# Altium PCB 2-quilter-output.pcbdoc (part 15 of 17)
Units mil, origin at the board's own origin, x right, y up, seen from the top; angles counter-clockwise.
Board outline 2728 x 2217 mil, 8 copper layers (L1_TOP, L2_GND, L3_INNER1, L4_GND, L5_PWR, L6_PWR, L7_GND, L8_BOT), stack 48.64 mil thick; 230 components, 327 nets, 1592 pads, 995 vias.
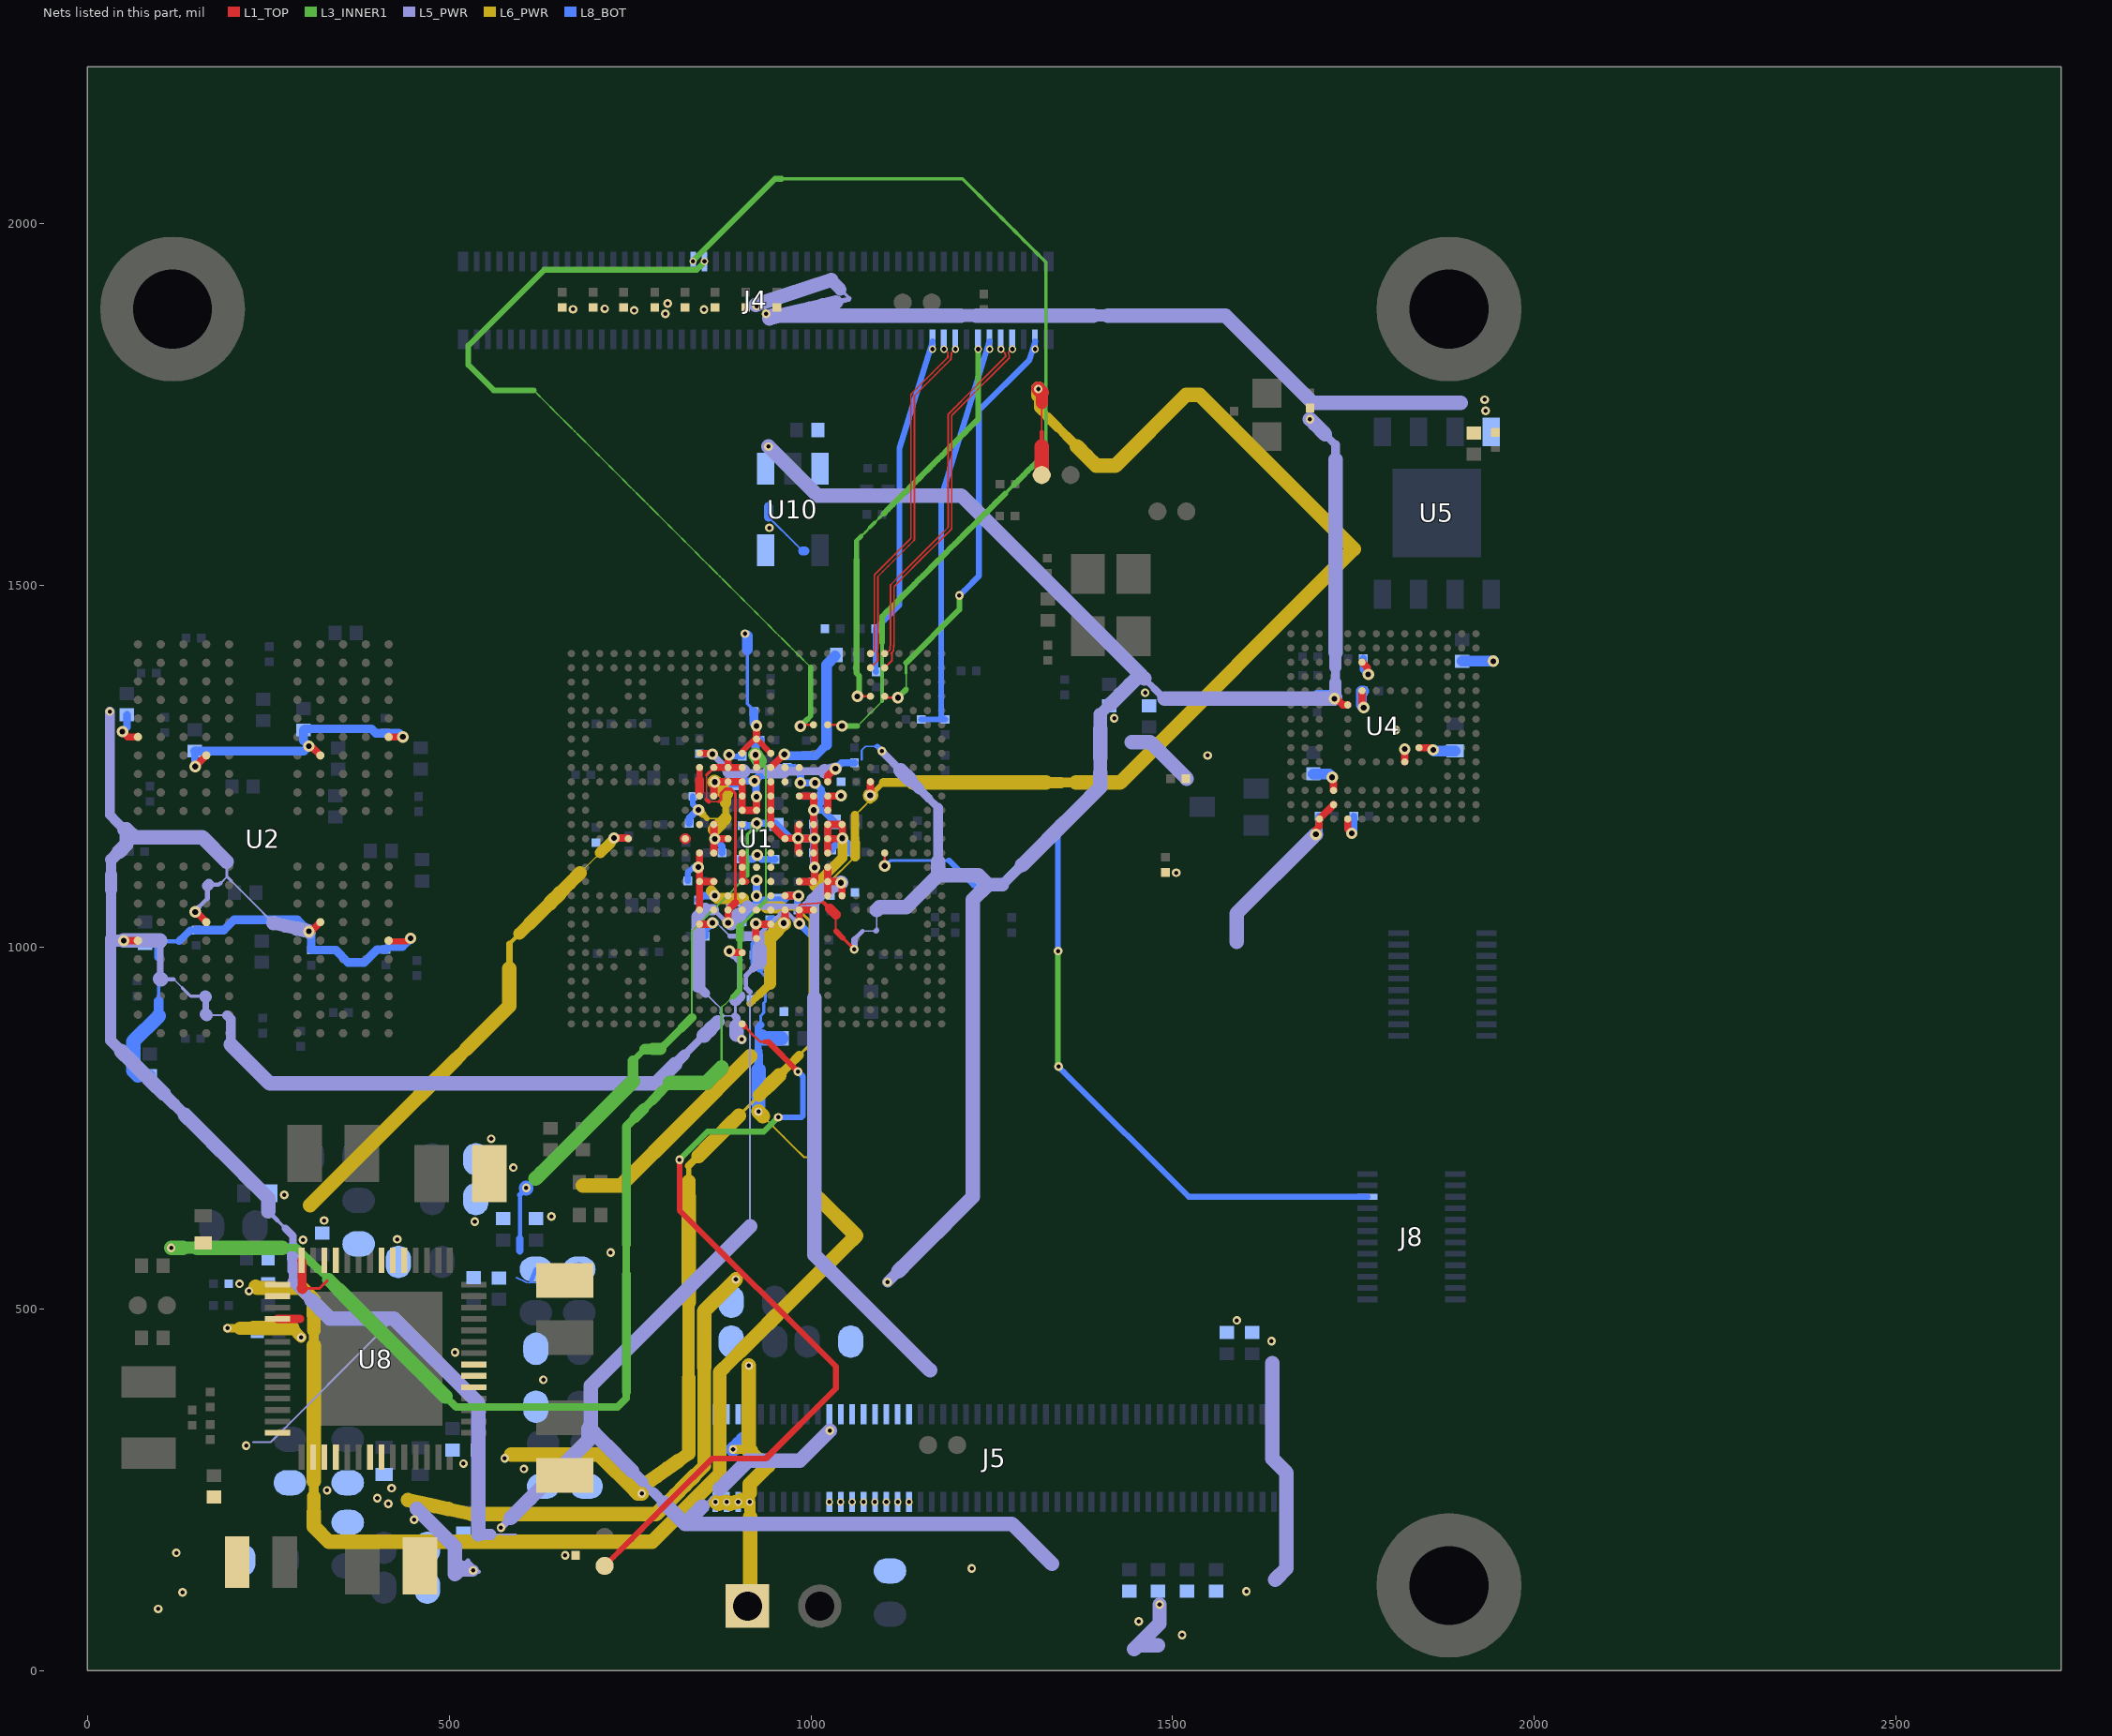
[diagram p21: the nets of this part, all layers, seen from the top]

## Via types
v1: diameter 12.01, hole 5.91, L1_TOP to L8_BOT, tented both sides, 409 vias
v2: diameter 16, hole 8, L1_TOP to L8_BOT, tented both sides, 329 vias
v3: diameter 10, hole 6, L1_TOP to L8_BOT, tented both sides, 205 vias
v4: diameter 16, hole 8, L1_TOP to L8_BOT, tented top, 52 vias

## Nets (pads, with @x,y where several pads share a name; then routed paths per layer and width w, separated by ;. In a path a pad name is that pad's centre, name@x,y a point inside that pad or via, vN(x,y) a via of type N, cw(c..) or ccw(c..) an arc to the next point about the centre after c; other vN are vias at no path point) (continued)
UART4_RXD: J4.40 U1.F19 | length 1373.6
  L1_TOP w3: U1.F19@1023.31,1307.38 1041.28,1307.38 v2(1043,1305.66)
  L3_INNER1 w2: 1064.2,1305.65 1069.93,1311.38 1075.66,1317.1 1081.38,1322.83 1087.11,1328.55 1092.83,1334.28 1098.56,1340.01
  L3_INNER1 w4.54: 959.45,2061.97 968.38,2061.97 977.31,2061.97 986.24,2061.97 995.17,2061.97 1004.09,2061.97 1013.02,2061.97 1021.95,2061.97 1030.88,2061.97 1039.81,2061.97 1048.74,2061.97 1057.66,2061.97 1066.59,2061.97 1075.52,2061.97 1084.45,2061.97 1093.38,2061.97 1102.3,2061.97 1111.23,2061.97 1120.16,2061.97 1129.09,2061.97 1138.02,2061.97 1146.94,2061.97 1155.87,2061.97 1164.8,2061.97 1173.73,2061.97 1182.66,2061.97 1191.59,2061.97 1200.51,2061.97 1209.44,2061.97 1215.52,2055.89 1221.61,2049.81 1227.69,2043.72 1233.77,2037.64 1239.85,2031.56 1245.93,2025.48 1252.02,2019.39 1258.1,2013.31 1264.18,2007.23 1270.26,2001.15 1276.35,1995.06 1282.43,1988.98 1288.51,1982.9 1294.59,1976.82 1300.67,1970.74 1306.76,1964.65 1312.84,1958.57 1318.92,1952.49 1325,1946.41 1325,1937.67 1325,1928.93 1325,1920.19 1325,1911.46 1325,1902.72 1325,1893.98 1325,1885.24 1325,1876.5 1325,1867.77 1325,1859.03 1325,1850.29 1325,1841.55 1325,1832.81 1325,1824.08 1325,1815.34 1325,1806.6 1325,1797.86 1325,1789.12 1325,1780.39 1325,1771.65 1325.01,1762.82 1325.01,1753.99 1325.01,1745.17 1325.01,1736.34 1325.01,1727.51 1325.01,1718.69 1325.01,1709.86 1325.01,1701.04 1325.01,1692.21 1325.01,1683.39 1318.72,1677.1 ; 1268.4,1626.77 1274.69,1633.06 1280.98,1639.35
  L3_INNER1 w5.13: 1098.56,1340.01 1098.56,1349 1098.56,1358 1098.56,1366.99 1098.56,1375.99 1098.56,1384.98 1098.56,1393.98 1098.56,1402.97 1098.56,1411.96 1098.56,1420.96
  L3_INNER1 w7.46: 1057.63,1305.65 1064.2,1305.65
  L3_INNER1 w8.05: v3(837.28,1947.75) 840.33,1951.79 950.52,2061.97 959.44,2061.97 ; v2@1043.01,1305.65 1051.06,1305.65 1057.63,1305.65 ; 1098.56,1420.96 1098.56,1429.95 1098.56,1438.95 1098.56,1447.94 1098.56,1456.94 1104.85,1463.23 1111.14,1469.52 1117.43,1475.81 1123.72,1482.1 1130.01,1488.39 1136.3,1494.68 1142.59,1500.97 1148.88,1507.26 1155.17,1513.55 1161.46,1519.84 1167.75,1526.13 1174.04,1532.42 1180.33,1538.71 1186.62,1545 1192.91,1551.29 1199.2,1557.58 1205.49,1563.87 1211.78,1570.16 1218.07,1576.45 1224.36,1582.74 1230.65,1589.03 1236.95,1595.32 1243.24,1601.61 1249.53,1607.9 1255.82,1614.19 1262.11,1620.48 1268.4,1626.77 ; 1280.98,1639.35 1287.27,1645.64 1293.56,1651.93 1299.85,1658.22 1306.14,1664.51 1312.43,1670.8 1318.72,1677.1
UART4_TXD: J4.42 U1.F18 | length 1154
  L1_TOP w3: v2(985.59,1305.39) 987.58,1307.38 U1.F18@1003.63,1307.38
  L3_INNER1 w2: 617.06,1769.61 623.37,1763.3 629.64,1757.03 635.92,1750.75 642.19,1744.48 648.47,1738.21 654.74,1731.93 661.02,1725.66 667.29,1719.38 673.56,1713.11 679.84,1706.83 686.11,1700.56 692.39,1694.28 698.66,1688.01 704.94,1681.74 711.21,1675.46 717.49,1669.19 723.76,1662.91 730.03,1656.64 736.31,1650.36 742.58,1644.09 748.86,1637.81 755.13,1631.54 761.41,1625.27 767.68,1618.99 773.96,1612.72 780.23,1606.44 786.5,1600.17 792.78,1593.89 799.05,1587.62 805.33,1581.34 811.6,1575.07 817.88,1568.8 824.15,1562.52 830.43,1556.25 836.7,1549.97 842.97,1543.7 849.25,1537.42 855.52,1531.15 861.8,1524.87 868.07,1518.6 874.35,1512.33 880.62,1506.05 886.9,1499.78 893.17,1493.5 899.44,1487.23 905.72,1480.95 911.99,1474.68 918.27,1468.4 924.54,1462.13 930.82,1455.86 937.09,1449.58 943.37,1443.31 949.64,1437.03 955.91,1430.76 962.19,1424.48 968.46,1418.21 974.74,1411.93 981.01,1405.66 987.29,1399.39 993.56,1393.11 999.84,1386.84
  L3_INNER1 w6.88: 995.15,1314.94 999.84,1319.62 999.84,1328.03 999.84,1336.43 999.84,1344.83 999.84,1353.23 999.84,1361.63 999.84,1370.03 999.84,1378.44 999.84,1386.84
  L3_INNER1 w8.05: 617.06,1769.61 561.73,1769.61 526.71,1804.63 526.71,1831.34 631.52,1936.15 842.41,1936.15 849.98,1943.72 v3(853.02,1947.75) ; v2(985.59,1305.39) 985.79,1305.58 990.47,1310.26 995.15,1314.94
USB1_DN: J4.83 U1.A22 | length 467.5
  L1_TOP w2.3: U1.A22@1082.37,1405.81 1086.77,1408.04 1087.82,1413.86 1087.82,1423.81 1087.82,1433.76 1087.82,1443.71 1087.82,1453.66 1087.82,1463.6 1087.82,1473.55 1087.82,1483.5 1087.82,1493.45 1087.82,1503.4 1087.82,1513.35 1087.82,1513.43 1087.83,1513.52 1087.84,1513.6 1087.85,1513.68 1087.86,1513.77 1087.88,1513.85 1087.9,1513.93 1087.92,1514.01 1087.95,1514.09 1087.98,1514.17 1088.01,1514.25 1088.04,1514.33 1088.08,1514.41 1088.12,1514.48 1088.16,1514.55 1088.21,1514.63 1088.25,1514.7 1088.3,1514.76 1088.36,1514.83 1088.41,1514.9 1088.47,1514.96 1088.52,1515.02 1095.65,1522.14 1102.77,1529.27 1109.9,1536.39 1117.02,1543.52 1124.15,1550.64 1131.27,1557.77 1138.4,1564.89 1138.4,1574.81 1138.4,1584.73 1138.4,1594.65 1138.4,1604.57 1138.4,1614.49 1138.4,1624.41 1138.4,1634.33 1138.4,1644.25 1138.4,1654.16 1138.4,1664.08 1138.4,1674 1138.4,1683.92 1138.4,1693.84 1138.4,1703.76 1138.4,1713.68 1138.4,1723.6 1138.4,1733.52 1138.4,1743.44 1138.4,1753.36 1138.4,1763.27 1138.4,1763.36 1138.41,1763.44 1138.41,1763.53 1138.42,1763.61 1138.44,1763.69 1138.46,1763.78 1138.48,1763.86 1138.5,1763.94 1138.52,1764.02 1138.55,1764.1 1138.58,1764.18 1138.62,1764.26 1138.66,1764.33 1138.69,1764.41 1138.74,1764.48 1138.78,1764.55 1138.83,1764.62 1138.88,1764.69 1138.93,1764.76 1138.98,1764.82 1139.04,1764.89 1139.1,1764.95 1146.23,1772.08 1153.37,1779.21 1160.5,1786.35 1167.63,1793.48 1174.77,1800.61 1181.9,1807.75 1189.03,1814.88 1189.46,1821.68 v3@1183.96,1826.15
  other v3: 1183.98,1826.55
USB1_DP: J4.85 U1.B22 | length 488
  L1_TOP w2.3: 1092.36,1407.32 1091.5,1407.19 1092.58,1413.22 1092.6,1413.3 1092.61,1413.39 1092.62,1413.47 1092.62,1413.56 1092.62,1413.64 1092.62,1423.51 1092.62,1433.38 1092.62,1443.25 1092.62,1453.12 1092.62,1462.98 1092.62,1472.85 1092.62,1482.72 1092.62,1492.59 1092.62,1502.46 1092.62,1512.33 1099.75,1519.45 1106.87,1526.58 1114,1533.7 1121.12,1540.83 1128.25,1547.95 1135.37,1555.08 1142.49,1562.2 1142.55,1562.26 1142.61,1562.32 1142.66,1562.39 1142.72,1562.46 1142.77,1562.52 1142.81,1562.59 1142.86,1562.67 1142.9,1562.74 1142.94,1562.82 1142.98,1562.89 1143.01,1562.97 1143.04,1563.05 1143.07,1563.13 1143.1,1563.21 1143.12,1563.29 1143.14,1563.37 1143.16,1563.45 1143.17,1563.54 1143.18,1563.62 1143.19,1563.7 1143.19,1563.79 1143.2,1563.87 1143.2,1573.79 1143.2,1583.71 1143.2,1593.63 1143.2,1603.55 1143.2,1613.47 1143.2,1623.39 1143.2,1633.31 1143.2,1643.23 1143.2,1653.15 1143.2,1663.06 1143.2,1672.98 1143.2,1682.9 1143.2,1692.82 1143.2,1702.74 1143.2,1712.66 1143.2,1722.58 1143.2,1732.5 1143.2,1742.42 1143.2,1752.34 1143.2,1762.26 1150.32,1769.38 1157.45,1776.51 1164.57,1783.63 1171.7,1790.75 1178.82,1797.88 1185.95,1805 1193.07,1812.13 1193.13,1812.19 1193.19,1812.25 1193.24,1812.32 1193.29,1812.38 1193.34,1812.45 1193.39,1812.52 1193.43,1812.59 1193.48,1812.67 1193.52,1812.74 1193.55,1812.82 1193.59,1812.9 1193.62,1812.97 1193.65,1813.05 1193.67,1813.13 1193.69,1813.22 1193.71,1813.3 1193.73,1813.38 1193.75,1813.46 1193.76,1813.55 1193.77,1813.63 ; 1193.77,1813.68 1194.25,1821.39 v3@1199.71,1826.15
  L1_TOP w3: U1.B22@1082.37,1386.12 1092.36,1396.11 1092.36,1405.81
  other v3: 1199.73,1826.55
USB1_ID: J4.89 U1.D22 | length 570.2
  L1_TOP w3: v2(1064.23,1346.75) U1.D22@1082.37,1346.75
  L3_INNER1 w2.79: 1088,1586.58 1094.23,1592.81
  L3_INNER1 w3.37: 1069.32,1567.9 1075.55,1574.13 1081.78,1580.35
  L3_INNER1 w3.96: 1094.23,1592.81 1100.46,1599.03
  L3_INNER1 w5.13: 1081.78,1580.35 1088,1586.58
  L3_INNER1 w6.29: 1063.1,1561.67 1069.32,1567.9
  L3_INNER1 w6.88: 1063.1,1544.25 1063.1,1552.96 1063.1,1561.67
  L3_INNER1 w7.46: 1063.1,1535.54 1063.1,1544.25
  L3_INNER1 w8.05: 1063.1,1535.54 1063.1,1526.83 1063.1,1518.12 1063.1,1509.41 1063.1,1500.7 1063.1,1491.98 1063.1,1483.27 1063.1,1474.56 1063.1,1465.85 1063.1,1457.14 1063.1,1448.43 1063.1,1439.72 1063.1,1431.01 1063.1,1422.3 1063.1,1413.58 1063.1,1404.87 1063.1,1396.16 1063.1,1387.45 1063.1,1378.74 1066.84,1375 1066.84,1349.38 v2(1064.23,1346.75) ; 1100.46,1599.03 1106.68,1605.26 1112.91,1611.49 1119.14,1617.71 1125.36,1623.94 1131.59,1630.17 1137.82,1636.39 1144.04,1642.62 1150.27,1648.85 1156.5,1655.07 1162.72,1661.3 1168.95,1667.53 1175.18,1673.75 1181.4,1679.98 1187.63,1686.21 1193.86,1692.43 1200.08,1698.66 1206.31,1704.89 1212.54,1711.11 1218.76,1717.34 1224.99,1723.57 1231.22,1729.79 v3(1231.23,1826.55)
USB1_VBUS: C393.1 J4.81 R108.2 | length 477.8
  L8_BOT w8.05: R108.2@1089.89,1380.41 1089.51,1380.81 1089.51,1434.02 C393.1@1089.51,1440 1122.31,1472.8 1122.31,1689.53 J4.81@1168.23,1837.54
  other v3: 1168.23,1826.55
USB2_DN: J4.93 U1.A23 | length 492.3
  L1_TOP w2.3: U1.A23@1102.05,1405.81 1107.06,1409.29 1109.54,1411.85 1110.03,1421.4 1110.03,1431.18 1110.03,1440.96 1110.03,1450.74 1110.03,1460.51 1110.03,1470.29 1110.03,1480.07 1110.03,1489.85 1110.03,1499.62 1110.03,1499.71 1110.03,1499.79 1110.04,1499.88 1110.05,1499.96 1110.07,1500.04 1110.08,1500.13 1110.1,1500.21 1110.13,1500.29 1110.15,1500.37 1110.18,1500.45 1110.21,1500.53 1110.25,1500.61 1110.28,1500.68 1110.32,1500.76 1110.37,1500.83 1110.41,1500.9 1110.46,1500.97 1110.51,1501.04 1110.56,1501.11 1110.61,1501.17 1110.67,1501.24 1110.73,1501.3 1117.92,1508.48 1125.1,1515.67 1132.29,1522.86 1139.48,1530.04 1146.66,1537.23 1153.85,1544.42 1161.04,1551.61 1168.22,1558.79 1175.41,1565.98 1182.6,1573.17 1189.79,1580.35 1189.79,1590.07 1189.79,1599.8 1189.79,1609.52 1189.79,1619.24 1189.79,1628.96 1189.79,1638.68 1189.79,1648.4 1189.79,1658.12 1189.79,1667.84 1189.79,1677.57 1189.79,1687.29 1189.79,1697.01 1189.79,1706.73 1189.79,1716.45 1189.79,1726.17 1189.79,1735.89 1189.79,1735.98 1189.79,1736.06 1189.8,1736.15 1189.81,1736.23 1189.83,1736.31 1189.84,1736.4 1189.86,1736.48 1189.89,1736.56 1189.91,1736.64 1189.94,1736.72 1189.97,1736.8 1190.01,1736.88 1190.04,1736.95 1190.08,1737.03 1190.12,1737.1 1190.17,1737.17 1190.22,1737.24 1190.27,1737.31 1190.32,1737.38 1190.37,1737.44 1190.43,1737.51 1190.49,1737.57 1197.65,1744.73 1204.82,1751.9 1211.98,1759.06 1219.15,1766.23 1226.32,1773.39 1233.48,1780.56 1240.65,1787.72 1247.81,1794.89 1254.98,1802.06 1262.14,1809.22 1269.31,1816.39 1268.25,1821 v3@1262.7,1826.15
  other v3: 1262.72,1826.55
USB2_DP: J4.95 U1.B23 | length 516.3
  L1_TOP w2.3: 1111.97,1407.32 1110.5,1405.95 1113.61,1409.16 1113.67,1409.22 1113.73,1409.28 1113.78,1409.35 1113.83,1409.41 1113.88,1409.48 1113.93,1409.56 1113.97,1409.63 1114.01,1409.7 1114.05,1409.78 1114.08,1409.85 1114.12,1409.93 1114.15,1410.01 1114.17,1410.09 1114.2,1410.17 1114.22,1410.25 1114.24,1410.34 1114.25,1410.42 1114.27,1410.5 1114.28,1410.59 1114.28,1410.67 ; 1114.29,1410.7 1114.55,1415.96 1114.82,1421.22 1114.83,1421.31 ; 1114.83,1421.34 1114.83,1431 1114.83,1440.66 1114.83,1450.32 1114.83,1459.97 1114.83,1469.63 1114.83,1479.29 1114.83,1488.95 1114.83,1498.61 1122.01,1505.79 1129.2,1512.98 1136.39,1520.17 1143.57,1527.35 1150.76,1534.54 1157.95,1541.73 1165.13,1548.91 1172.32,1556.1 1179.51,1563.29 1186.7,1570.47 1193.88,1577.66 1193.94,1577.72 1194,1577.79 1194.05,1577.85 1194.1,1577.92 1194.15,1577.99 1194.2,1578.06 1194.25,1578.13 1194.29,1578.2 1194.33,1578.28 1194.36,1578.35 1194.4,1578.43 1194.43,1578.51 1194.46,1578.59 1194.48,1578.67 1194.51,1578.75 1194.53,1578.83 1194.54,1578.91 1194.56,1579 1194.57,1579.08 1194.58,1579.17 1194.58,1579.25 1194.59,1579.33 1194.59,1589.06 1194.59,1598.78 1194.59,1608.5 1194.59,1618.22 1194.59,1627.94 1194.59,1637.66 1194.59,1647.38 1194.59,1657.1 1194.59,1666.83 1194.59,1676.55 1194.59,1686.27 1194.59,1695.99 1194.59,1705.71 1194.59,1715.43 1194.59,1725.15 1194.59,1734.87 1201.77,1742.06 1208.96,1749.25 1216.15,1756.44 1223.33,1763.62 1230.52,1770.81 1237.71,1778 1244.89,1785.18 1252.08,1792.37 1259.27,1799.56 1266.45,1806.74 1273.64,1813.93 1273.7,1813.99 1273.76,1814.05 1273.81,1814.12 1273.86,1814.19 1273.91,1814.25 1273.96,1814.32 1274,1814.4 1274.05,1814.47 1274.09,1814.54 1274.12,1814.62 1274.16,1814.7 1274.19,1814.78 1274.22,1814.86 1274.24,1814.94 1274.27,1815.02 1274.29,1815.1 1274.3,1815.18 1274.32,1815.27 1274.33,1815.35 1274.34,1815.43 1274.34,1815.52 1274.34,1815.6 1274.34,1815.69 1274.34,1815.77 1274.33,1815.86 1274.32,1815.94 1274.31,1816.02 1274.3,1816.11 1274.28,1816.16 1272.93,1822.07 v3@1278.45,1826.15
  L1_TOP w3: U1.B23@1102.06,1386.12 1111.97,1396.03 1111.97,1405.81
  other v3: 1278.47,1826.55
USB2_ID: J4.99 U1.D23 | length 587.9
  L1_TOP w3: U1.D23@1102.05,1346.75 1103.77,1345.03 v2(1120.31,1345.03)
  L3_INNER1 w2: 1131.55,1356.26 1131.55,1363.54 1131.55,1370.83 1131.55,1378.11
  L3_INNER1 w3.96: 1131.55,1378.11 1131.55,1385.4 1131.55,1393.08
  L3_INNER1 w8.05: v2(1120.31,1345.03) 1126,1350.71 1131.55,1356.26 ; 1131.55,1393.08 1205.24,1466.77 1205.24,1473.95 v1(1205.24,1486.05)
  L8_BOT w8.05: v1(1205.24,1486.05) 1212.01,1492.82 1232.17,1512.98 1232.17,1741.7 1301.84,1811.38 J4.99@1309.96,1837.54
  other v3: 1309.97,1826.55
USB2_VBUS: C394.1 J4.91 R109.2 | length 568.4
  L8_BOT w8.05: R109.2@1152.4,1314.9 C394.1@1184.87,1314.91 ; C394.1@1184.88,1314.91 C394.1@1185.53,1314.69 1180.01,1320.23 1180.01,1621.73 J4.91@1246.97,1837.54
  other v3: 1246.97,1826.55
VDD_1V8: C3.1 C5.1 C21.1 C23.1 C105.1 C106.1 C108.1 C109.1 C130.1 C131.1 C132.1 C133.1 C138.1 C139.1 C241.1 C266.1 C317.1 C370.1 C371.1 C372.1 C384.1 C404.1 J5.22 J5.24 J5.26 J5.28 J5.30 J5.32 J5.34 J5.36 L13.2 R10.1 R11.1 R12.1 R13.1 R14.1 R15.1 R16.1 R17.1 R37.1 R47.2 R79.2 R106.1 R117.1 R118.1 U1.AB13 U1.J11 U1.J12 U1.J13 U1.L19 U1.M19 U1.T19 U1.U19 U1.V19 U1.V20 U1.W12 U2.F1 U2.F12 U2.G4 U2.G9 U2.T4 U2.T9 U2.U1 U2.U12 U4.C6 U4.M4 U4.N4 U4.P3 U4.P5 U5.8 U8.14 | length 7953.2
  L1_TOP w2: 856.04,1203.74 856.04,1220.44 856.04,1237.82 ; 858.89,1200.88 872.47,1200.88
  L1_TOP w4.21: 856.04,1237.82 U1.J11@865.65,1247.44 ; 872.47,1200.88 875.69,1204.1 875.69,1212.8 881.5,1218.62 889.52,1218.62 895.56,1212.58 895.56,1193.7 895.56,1174.82 895.56,1155.94 895.56,1137.05 895.56,1118.17 895.56,1099.29 895.56,1080.41 895.56,1061.53
  L1_TOP w5.79: 856.04,1203.74 858.89,1200.88
  L1_TOP w8: U2.F1@416.56,1009.15 417.68,1008.03 442.48,1008.03 v2(446.83,1012.38)
  L1_TOP w10: v2(48.72,1297.99) 56.06,1290.65 U2.U12@70.1,1290.65 ; v2(50.41,1009.15) U2.F12@70.1,1009.15 ; v2(149.27,1048.78) 150.55,1048.78 U2.G9@164.59,1034.74 ; v2(149.33,1249.8) U2.T9@164.59,1265.06 ; v2(306.32,1021.95) 309.28,1021.95 U2.G4@322.07,1034.74 ; v2(306.32,1277.85) 309.28,1277.85 U2.T4@322.07,1265.06 ; U2.U1@416.56,1290.65 v2(436.24,1290.65) ; U1.J11@865.83,1248.32 U1.J12@885.52,1248.32 ; U1.W12@885.52,1051.48 885.52,1033.7 v2(885.6,1033.62) ; v2(886.89,1265.9) 885.52,1264.53 U1.J12@885.52,1248.32 ; v2(887.49,994.6) 889.67,992.42 U1.AB13@905.21,992.42 ; U1.J13@905.21,1248.32 U1.J12@885.52,1248.32 ; U1.V19@1023.31,1071.16 U1.U19@1023.31,1090.84 ; U1.T19@1023.31,1110.53 U1.U19@1023.31,1090.84 ; U1.M19@1023.31,1189.27 U1.L19@1023.31,1208.96 1041.2,1208.96 v2(1041.61,1209.37) ; U1.V20@1043,1071.16 1043,1087.75 v2(1041.63,1089.12) 1039.91,1090.84 U1.U19@1023.31,1090.84 ; v2(1697.8,1156.02) 1697.8,1162.44 1702.6,1167.24 U4.P3@1702.6,1177.31 U4.N4@1722.28,1196.99 ; v2(1720.39,1234.85) 1722.28,1232.96 U4.M4@1722.28,1216.68 ; U4.P5@1741.97,1177.31 1741.97,1162.86 v2(1747.46,1157.37) ; U4.C6@1761.65,1393.84 1769.25,1386.24 1769.25,1378.09 v2(1770.27,1377.07)
  L1_TOP w10.55: U1.W12@885.52,1051.48 895.56,1061.53
  L5_PWR w2: 119.72,955.55 131.35,943.91 ; 558,188.63 575.24,188.63 ; 865.75,925.18 875.27,915.66 ; 879.45,905.12 894.59,905.12
  L5_PWR w2.62: 165.32,905.89 178.51,905.89 193.11,905.89 ; 184.09,1088.13 193.38,1097.42 ; 199.51,1091.29 211.81,1078.99 224.12,1066.68 236.42,1054.38 248.73,1042.07 257.36,1033.44 ; 229.2,316.04 241.38,316.04 253.56,316.04 267.76,330.24 281.96,344.44 296.15,358.63 310.35,372.83 324.55,387.03 338.75,401.23 352.95,415.43 367.14,429.62 381.34,443.82 395.54,458.02 409.74,472.22 423.94,486.42 ; 575.24,188.63 592.48,188.63 ; 854.88,936.05 865.75,925.18 ; 875.27,909.3 875.27,915.66
  L5_PWR w4.21: 131.35,943.91 142.99,932.28 163.05,932.28 ; 192.95,1118.09 192.95,1097.85 193.38,1097.42 199.51,1091.29 ; 263.11,622.27 273.79,611.59 ; 871.38,897.05 879.45,905.12 875.27,909.3 ; 895.56,904.15 895.56,915.41 895.56,926.67 ; 994.61,1057.13 994.61,1064.97 ; 1003.68,1064.97 994.61,1064.97 ; 1004.78,1054.8 994.61,1064.97 ; 1040.93,1909 1053.38,1896.55
  L5_PWR w5.79: 101.83,955.55 119.72,955.55 ; 154.07,1055.3 166.06,1067.28 ; 168.03,1086.61 181.31,1086.61 184.09,1088.13 ; 250.43,634.95 263.11,622.27 ; 865.44,1052.04 879.04,1038.44 ; 900.83,931.95 900.83,948.67 900.83,965.4 900.83,982.12 ; 1052.25,1895.41 1053.38,1896.54
  L5_PWR w7.38: v2(149.27,1048.78) 154.07,1055.3 ; 166.06,1067.28 166.06,1084.64 ; 879.04,1038.44 v2(885.6,1033.62) ; 912.5,1056.46 933.02,1056.46 ; 953.55,1056.46 974.08,1056.46 993.94,1056.46 ; 1034.96,1891.25 1052.25,1895.41
  L5_PWR w8.96: 32.17,1009.75 29.07,1012.85 ; 32.76,1009.15 29.07,1012.85 ; 32.97,1016.75 29.07,1012.85 ; 100.94,956.45 100.94,973.31 100.94,991.07 100.94,1008.83 ; 163.91,907.31 163.91,918.66 163.91,931.42 ; 894.59,905.12 897.45,902.25 ; 933.02,1056.46 953.55,1056.46
  L5_PWR w10.55: 273.79,611.59 284.47,600.91 284.47,585.11 ; 825.56,851.5 838.81,864.75 852.06,878 ; 893.62,989.33 900.83,982.12 ; 895.56,904.15 897.45,902.25 897.45,890.9
  L5_PWR w12.13: 284.47,537.69 284.47,553.5 ; 844.01,946.92 854.88,936.05 ; v2(887.49,994.6) 893.62,989.33
  L5_PWR w13.72: v1(31.13,1325.69) 31.23,1325.58 31.23,1305.6 31.23,1285.62 31.23,1265.64 31.23,1245.66 31.23,1225.68 31.23,1205.7 31.23,1185.72 31.23,1182.8 41.23,1172.81 51.22,1162.81 ; 32.97,1016.75 32.97,1037.59 32.97,1058.44 32.97,1079.29 ; 32.97,1100.13 32.97,1120.98 ; 193.11,905.89 198.32,900.68 198.32,883.15 198.32,865.62 ; 897.45,879.54 v1(904.34,872.65) ; 1004.78,929.63 1004.78,950.49 1004.78,971.35 1004.78,992.21 1004.78,1013.08 1004.78,1033.94 1004.78,1054.8
  L5_PWR w15.3: 32.17,1009.75 32.17,989.95 32.17,970.15 32.17,950.35 32.17,930.56 32.17,910.76 32.17,890.96 32.17,871.16 46.86,856.48 ; 120.28,783.06 134.96,768.38 ; 166.06,1084.64 168.03,1086.61 ; 284.47,537.69 297.29,524.87 310.1,512.06 ; 284.47,553.5 284.47,569.3 ; 540.77,188.63 558,188.63 ; 812.31,838.25 825.56,851.5 ; 854.09,1052.04 865.44,1052.04 ; v2(885.6,1033.62) v2@889.65,1033.61 ; 993.94,1056.46 994.61,1057.13
  L5_PWR w16.89: 32.76,1009.15 v2(50.41,1009.15) ; 32.97,1079.29 32.97,1100.13 ; 32.97,1120.98 43.67,1131.68 ; 105.59,797.74 120.28,783.06 ; 163.05,932.28 163.91,931.42 ; 163.91,907.31 165.32,905.89 ; 284.47,569.3 284.47,585.11 ; 895.56,926.67 900.83,931.95 ; 901.08,1045.03 912.5,1056.46 ; 1028.05,1921.88 1040.93,1909 ; 1390.18,1873.02 1410.44,1873.02
  L5_PWR w18.47: 257.38,1033.44 273.52,1029.65 289.66,1025.86 ; 844.01,1022.96 844.01,1041.97 854.09,1052.04 ; 861.86,887.52 871.38,897.05 ; 1207.77,1873.02 1228.04,1873.02
  L5_PWR w20.06: 43.67,1131.68 54.37,1142.38 54.37,1162.81 ; 46.86,856.48 61.54,841.8 76.22,827.11 90.91,812.43 105.59,797.74 ; v2@50.42,1009.15 100.62,1009.15 100.94,1008.83 ; 51.22,1162.81 54.37,1162.81 ; 100.94,956.45 101.83,955.55 ; 134.96,768.38 149.64,753.69 164.33,739.01 179.01,724.32 193.7,709.64 208.38,694.96 223.06,680.27 237.75,665.59 250.43,652.91 250.43,634.95 ; 192.95,1118.09 158.92,1152.12 65.06,1152.12 54.37,1162.81 ; 198.32,865.62 252.18,811.76 785.81,811.75 799.06,825 812.31,838.25 ; 289.66,1025.86 v2@306.32,1021.95 ; 310.1,512.06 322.92,499.24 335.34,486.82 423.53,486.82 423.94,486.42 540.76,369.6 540.76,188.63 ; 844.01,946.92 844.01,965.93 844.01,984.94 844.01,1003.95 844.01,1022.96 ; 852.06,878 852.2,878 852.34,878 861.86,887.52 ; v2@889.65,1033.61 901.08,1045.03 ; 897.45,879.54 897.45,890.9 ; v1@923.74,1887.66 930.86,1889.96 1028.05,1921.88 ; 1003.68,1064.97 1018.21,1079.49 v2(1041.63,1089.12) ; 1004.78,929.63 1004.78,908.76 1004.78,887.9 1004.78,867.04 1004.78,846.18 1004.78,825.31 1004.78,804.45 1004.78,783.59 1004.78,762.73 1004.78,741.87 1004.78,721 1004.78,700.14 1004.78,679.28 1004.78,658.42 1004.78,637.55 1004.78,616.69 1004.78,595.83 1004.78,574.97 1164.52,415.22 ; 1034.96,1891.25 1016.54,1886.81 998.11,1882.37 979.69,1877.94 961.26,1873.5 942.84,1869.06 946.81,1873.02 1086.17,1873.02 1106.44,1873.02 1126.7,1873.02 1146.97,1873.02 1167.24,1873.02 1187.5,1873.02 1207.77,1873.02 ; 1228.04,1873.02 1248.31,1873.02 1268.57,1873.02 1288.84,1873.02 1309.11,1873.02 1329.38,1873.02 1349.64,1873.02 1369.91,1873.02 1390.18,1873.02 ; 1410.44,1873.02 1430.71,1873.02 1450.98,1873.02 1471.25,1873.02 1491.51,1873.02 1511.78,1873.02 1532.05,1873.02 1552.32,1873.02 1572.58,1873.02 1693,1752.61 1897.91,1752.61 ; 1443.48,1283.68 1468.7,1283.68 1519.37,1233.01 ; 1588.28,1007.71 1588.28,1017.4 1588.28,1046.49 1692.11,1150.32 v2(1697.8,1156.02)

## Text inside footprints (layer, text, board x,y; h text height)
U4: Top Overlay "A" at 1545.74,1505.24 h15 r90; Top Overlay "P" at 1546.96,1067.21 h15 r90; Top Overlay "14" at 1936.78,1579.32 h15 r90; Top Overlay "1" at 1669.77,1586.53 h15 r90; Top Pin Number "D3" at 1700.6,1365.16 h10 r45; Top Pin Number "D2" at 1680.91,1365.16 h10 r45; Top Pin Number "D14" at 1915.13,1362.16 h10 r45; Top Pin Number "D13" at 1895.45,1362.16 h10 r45; Top Pin Number "D12" at 1875.76,1362.16 h10 r45; Top Pin Number "D1" at 1661.23,1365.16 h10 r45; Top Pin Number "C9" at 1818.71,1384.84 h10 r45; Top Pin Number "C8" at 1799.02,1384.84 h10 r45; Top Pin Number "C7" at 1779.34,1384.84 h10 r45; Top Pin Number "C5" at 1739.97,1384.84 h10 r45; Top Pin Number "C3" at 1700.6,1384.84 h10 r45; Top Pin Number "C14" at 1915.13,1381.84 h10 r45; Top Pin Number "C13" at 1895.45,1381.84 h10 r45; Top Pin Number "C12" at 1875.76,1381.84 h10 r45; Top Pin Number "C11" at 1856.08,1381.84 h10 r45; Top Pin Number "C10" at 1836.39,1381.84 h10 r45; Top Pin Number "C1" at 1661.23,1384.84 h10 r45; Top Pin Number "B9" at 1818.71,1404.53 h10 r45; Top Pin Number "B8" at 1799.02,1404.53 h10 r45; Top Pin Number "B7" at 1779.34,1404.53 h10 r45; Top Pin Number "B14" at 1915.13,1401.53 h10 r45; Top Pin Number "B13" at 1895.45,1401.53 h10 r45; Top Pin Number "B12" at 1875.76,1401.53 h10 r45; Top Pin Number "B11" at 1856.08,1401.53 h10 r45; Top Pin Number "B10" at 1836.39,1401.53 h10 r45; Top Pin Number "B1" at 1661.23,1404.53 h10 r45; Top Pin Number "A9" at 1818.71,1424.21 h10 r45; Top Pin Number "A8" at 1799.02,1424.21 h10 r45; Top Pin Number "A7" at 1779.34,1424.21 h10 r45; Top Pin Number "A2" at 1680.91,1424.21 h10 r45; Top Pin Number "A14" at 1915.13,1421.21 h10 r45; Top Pin Number "A13" at 1895.45,1421.21 h10 r45; Top Pin Number "A12" at 1875.76,1421.21 h10 r45; Top Pin Number "A11" at 1856.08,1421.21 h10 r45; Top Pin Number "A10" at 1836.39,1421.21 h10 r45; Top Pin Number "A1" at 1661.23,1424.21 h10 r45; Top Pin Number "K5" at 1739.97,1247.05 h10 r45; Top Pin Number "P3" at 1700.6,1168.31 h10 r45; Top Pin Number "N4" at 1720.28,1187.99 h10 r45; Top Pin Number "P5" at 1739.97,1168.31 h10 r45; Top Pin Number "M4" at 1720.28,1207.68 h10 r45; Top Pin Number "C6" at 1759.65,1384.84 h10 r45; Top Pin Number "P4" at 1720.28,1168.31 h10 r45; Top Pin Number "N2" at 1680.91,1187.99 h10 r45; Top Pin Number "N5" at 1739.97,1187.99 h10 r45; Top Pin Number "P6" at 1759.65,1168.31 h10 r45; Top Pin Number "C4" at 1720.28,1384.84 h10 r45; Top Pin Number "J5" at 1739.97,1266.73 h10 r45; Top Pin Number "H10" at 1836.39,1283.42 h10 r45; Top Pin Number "K8" at 1799.02,1247.05 h10 r45; Top Pin Number "G5" at 1739.97,1306.1 h10 r45; Top Pin Number "E7" at 1779.34,1345.47 h10 r45; Top Pin Number "A6" at 1759.65,1424.21 h10 r45; Top Pin Number "J10" at 1836.39,1263.73 h10 r45; Top Pin Number "K9" at 1818.71,1247.05 h10 r45; Top Pin Number "F5" at 1739.97,1325.79 h10 r45; Top Pin Number "E6" at 1759.65,1345.47 h10 r45; Top Pin Number "B3" at 1700.6,1404.53 h10 r45; Top Pin Number "M5" at 1739.97,1207.68 h10 r45; Top Pin Number "A4" at 1720.28,1424.21 h10 r45; Top Pin Number "A5" at 1739.97,1424.21 h10 r45; Top Pin Number "B6" at 1759.65,1404.53 h10 r45; Top Pin Number "B5" at 1739.97,1404.53 h10 r45; Top Pin Number "B4" at 1720.28,1404.53 h10 r45; Top Pin Number "A3" at 1700.6,1424.21 h10 r45; Top Pin Number "C2" at 1680.91,1384.84 h10 r45; Top Pin Number "B2" at 1680.91,1404.53 h10 r45; Top Pin Number "H5" at 1739.97,1286.42 h10 r45; Top Pin Number "M6" at 1759.65,1207.68 h10 r45; Top Pin Number "K10" at 1836.39,1244.05 h10 r45; Top Pin Number "F10" at 1836.39,1322.79 h10 r45; Top Pin Number "E10" at 1836.39,1342.47 h10 r45; Top Pin Number "E9" at 1818.71,1345.47 h10 r45; Top Pin Number "P9" at 1818.71,1168.31 h10 r45; Top Pin Number "P8" at 1799.02,1168.31 h10 r45; Top Pin Number "P7" at 1779.34,1168.31 h10 r45; Top Pin Number "P2" at 1680.91,1168.31 h10 r45; Top Pin Number "P14" at 1915.13,1165.31 h10 r45; Top Pin Number "P13" at 1895.45,1165.31 h10 r45; Top Pin Number "P12" at 1875.76,1165.31 h10 r45; Top Pin Number "P11" at 1856.08,1165.31 h10 r45; Top Pin Number "P10" at 1836.39,1165.31 h10 r45; Top Pin Number "P1" at 1661.23,1168.31 h10 r45; Top Pin Number "N9" at 1818.71,1187.99 h10 r45; Top Pin Number "N8" at 1799.02,1187.99 h10 r45; Top Pin Number "N7" at 1779.34,1187.99 h10 r45; Top Pin Number "N6" at 1759.65,1187.99 h10 r45; Top Pin Number "N3" at 1700.6,1187.99 h10 r45; Top Pin Number "N14" at 1915.13,1184.99 h10 r45; Top Pin Number "N13" at 1895.45,1184.99 h10 r45; Top Pin Number "N12" at 1875.76,1184.99 h10 r45; Top Pin Number "N11" at 1856.08,1184.99 h10 r45; Top Pin Number "N10" at 1836.39,1184.99 h10 r45; Top Pin Number "N1" at 1661.23,1187.99 h10 r45; Top Pin Number "M9" at 1818.71,1207.68 h10 r45; Top Pin Number "M8" at 1799.02,1207.68 h10 r45; Top Pin Number "M7" at 1779.34,1207.68 h10 r45; Top Pin Number "M3" at 1700.6,1207.68 h10 r45; Top Pin Number "M2" at 1680.91,1207.68 h10 r45; Top Pin Number "M14" at 1915.13,1204.68 h10 r45; Top Pin Number "M13" at 1895.45,1204.68 h10 r45; Top Pin Number "M12" at 1875.76,1204.68 h10 r45; Top Pin Number "M11" at 1856.08,1204.68 h10 r45; Top Pin Number "M10" at 1836.39,1204.68 h10 r45; Top Pin Number "M1" at 1661.23,1207.68 h10 r45; Top Pin Number "L3" at 1700.6,1227.36 h10 r45; Top Pin Number "L2" at 1680.91,1227.36 h10 r45; Top Pin Number "L14" at 1915.13,1224.36 h10 r45; Top Pin Number "L13" at 1895.45,1224.36 h10 r45; Top Pin Number "L12" at 1875.76,1224.36 h10 r45; Top Pin Number "L1" at 1661.23,1227.36 h10 r45; Top Pin Number "K7" at 1779.34,1247.05 h10 r45; Top Pin Number "K6" at 1759.65,1247.05 h10 r45; Top Pin Number "K3" at 1700.6,1247.05 h10 r45; Top Pin Number "K2" at 1680.91,1247.05 h10 r45; Top Pin Number "K14" at 1915.13,1244.05 h10 r45; Top Pin Number "K13" at 1895.45,1244.05 h10 r45; Top Pin Number "K12" at 1875.76,1244.05 h10 r45; Top Pin Number "K1" at 1661.23,1247.05 h10 r45; Top Pin Number "J3" at 1700.6,1266.73 h10 r45; Top Pin Number "J2" at 1680.91,1266.73 h10 r45; Top Pin Number "J14" at 1915.13,1263.73 h10 r45; Top Pin Number "J13" at 1895.45,1263.73 h10 r45; Top Pin Number "J12" at 1875.76,1263.73 h10 r45; Top Pin Number "J1" at 1661.23,1266.73 h10 r45; Top Pin Number "H3" at 1700.6,1286.42 h10 r45; Top Pin Number "H2" at 1680.91,1286.42 h10 r45; Top Pin Number "H14" at 1915.13,1283.42 h10 r45; Top Pin Number "H13" at 1895.45,1283.42 h10 r45; Top Pin Number "H12" at 1875.76,1283.42 h10 r45; Top Pin Number "H1" at 1661.23,1286.42 h10 r45; Top Pin Number "G3" at 1700.6,1306.1 h10 r45; Top Pin Number "G2" at 1680.91,1306.1 h10 r45; Top Pin Number "G14" at 1915.13,1303.1 h10 r45; Top Pin Number "G13" at 1895.45,1303.1 h10 r45; Top Pin Number "G12" at 1875.76,1303.1 h10 r45; Top Pin Number "G10" at 1836.39,1303.1 h10 r45; Top Pin Number "G1" at 1661.23,1306.1 h10 r45; Top Pin Number "F3" at 1700.6,1325.79 h10 r45; Top Pin Number "F2" at 1680.91,1325.79 h10 r45; Top Pin Number "F14" at 1915.13,1322.79 h10 r45; Top Pin Number "F13" at 1895.45,1322.79 h10 r45; Top Pin Number "F12" at 1875.76,1322.79 h10 r45; Top Pin Number "F1" at 1661.23,1325.79 h10 r45; Top Pin Number "E8" at 1799.02,1345.47 h10 r45; Top Pin Number "E5" at 1739.97,1345.47 h10 r45; Top Pin Number "E3" at 1700.6,1345.47 h10 r45; Top Pin Number "E2" at 1680.91,1345.47 h10 r45; Top Pin Number "E14" at 1915.13,1342.47 h10 r45; Top Pin Number "E13" at 1895.45,1342.47 h10 r45; Top Pin Number "E12" at 1875.76,1342.47 h10 r45; Top Pin Number "E1" at 1661.23,1345.47 h10 r45; Top Pin Number "D4" at 1720.28,1365.16 h10 r45
U5: Board Layer Stack Bottom Overlay "4" at 1730,1500 h20 r180; Board Layer Stack Bottom Overlay "8" at 1985,1720 h20 r180; Board Layer Stack Bottom Overlay "5" at 1735,1720 h20 r180; Board Layer Stack Bottom Overlay "1" at 1990,1495 h20 r180; Bottom Assembly "5" at 1788,1722.2 h20 r180; Bottom Assembly "4" at 1788,1497.8 h20 r180; Bottom Assembly "1" at 1938,1497.8 h20 r180; Bottom Pin Number "1" at 1938,1497.8 h20 r180; Bottom Pin Number "4" at 1788,1497.8 h20 r180; Bottom Pin Number "5" at 1788,1722.2 h20 r180; Bottom Pin Number "8" at 1939.67,1713.87 h10 r90; Bottom Pin Number "3" at 1839.67,1489.46 h10 r90; Bottom Pin Number "2" at 1889.67,1489.46 h10 r90; Bottom Pin Number "5" at 1789.67,1713.87 h10 r90; Bottom Pin Number "7" at 1889.67,1713.87 h10 r90; Bottom Pin Number "1" at 1939.67,1489.46 h10 r90; Bottom Pin Number "6" at 1839.67,1713.87 h10 r90; Bottom Pin Number "9" at 1869,1600 h10 r90; Bottom Pin Number "4" at 1789.67,1489.46 h10 r90
U8: Top Overlay "15" at 223.57,256.01 h15; Top Overlay "56" at 289.75,591.16 h15; Top Overlay "43" at 504.65,584.76 h15; Top Overlay "29" at 555.17,290.16 h15; Top Overlay "1" at 224.99,525.7 h15; Top Pin Number "49" at 414.56,557.06 h15 r90; Top Pin Number "47" at 446.06,557.06 h15 r90; Top Pin Number "30" at 518.52,336.62 h15; Top Pin Number "42" at 518.52,525.59 h15; Top Pin Number "41" at 518.52,509.84 h15; Top Pin Number "6" at 259.29,446.85 h15; Top Pin Number "3" at 258.57,494.1 h15; Top Pin Number "44" at 493.3,557.06 h15 r90; Top Pin Number "26" at 475.56,275.4 h15 r90; Top Pin Number "27" at 491.3,275.4 h15 r90; Top Pin Number "9" at 259.29,399.61 h15; Top Pin Number "13" at 247.57,336.62 h15; Top Pin Number "7" at 258.57,431.1 h15; Top Pin Number "1" at 265,525.59 h15; Top Pin Number "39" at 518.52,478.35 h15; Top Pin Number "40" at 518.52,494.1 h15; Top Pin Number "14" at 246.86,320.87 h15; Top Pin Number "52" at 367.32,557.06 h15 r90; Top Pin Number "28" at 507.05,275.4 h15 r90; Top Pin Number "8" at 258.57,415.36 h15; Top Pin Number "12" at 247.57,352.36 h15; Top Pin Number "50" at 398.82,557.06 h15 r90; Top Pin Number "51" at 383.07,557.06 h15 r90; Top Pin Number "10" at 247.57,383.86 h15; Top Pin Number "4" at 257.86,478.35 h15; Top Pin Number "36" at 518.52,431.1 h15; Top Pin Number "37" at 518.52,446.85 h15; Top Pin Number "31" at 518.52,352.36 h15; Top Pin Number "32" at 518.52,368.11 h15; Top Pin Number "11" at 254,368.11 h15; Top Pin Number "19" at 365.32,275.4 h15 r90; Top Pin Number "20" at 381.07,275.4 h15 r90; Top Pin Number "45" at 477.56,557.06 h15 r90; Top Pin Number "46" at 461.81,557.06 h15 r90; Top Pin Number "15" at 302.33,275.4 h15 r90; Top Pin Number "2" at 258.57,509.84 h15; Top Pin Number "43" at 509.05,557.06 h15 r90; Top Pin Number "57" at 382.69,423.23 h15; Top Pin Number "5" at 258.57,462.6 h15; Top Pin Number "23" at 428.31,275.4 h15 r90; Top Pin Number "55" at 320.08,557.06 h15 r90; Top Pin Number "38" at 518.52,462.6 h15; Top Pin Number "22" at 412.56,275.4 h15 r90; Top Pin Number "21" at 396.82,275.4 h15 r90; Top Pin Number "54" at 335.82,557.06 h15 r90; Top Pin Number "24" at 444.06,275.4 h15 r90; Top Pin Number "25" at 459.81,275.4 h15 r90; Top Pin Number "29" at 518.52,320.87 h15; Top Pin Number "16" at 318.08,275.4 h15 r90; Top Pin Number "18" at 349.57,275.4 h15 r90; Top Pin Number "17" at 333.82,275.4 h15 r90; Top Pin Number "35" at 518.52,415.36 h15; Top Pin Number "33" at 518.52,383.86 h15; Top Pin Number "34" at 518.52,399.61 h15; Top Pin Number "56" at 304.33,557.06 h15 r90; Top Pin Number "53" at 351.57,557.06 h15 r90; Top Pin Number "48" at 430.31,557.06 h15 r90
U10: Board Layer Stack Bottom Overlay "1" at 921.06,1685.21 h15 r270
UL_BOX: Top Value "ul_box" at 2290,1975 h31
Y1: Top Overlay "1" at 1500.86,1438.33 h15 r180